# Altium PCB Urukul.PcbDoc (part 11 of 12)
Units mm, origin at the board's own origin, x right, y up, seen from the top; angles counter-clockwise.
Board outline 160.99 x 100 mm, 6 copper layers (L1, P2, L3, L4, P5, L6), stack 1.648 mm thick; 971 components, 541 nets, 3373 pads, 2358 vias.
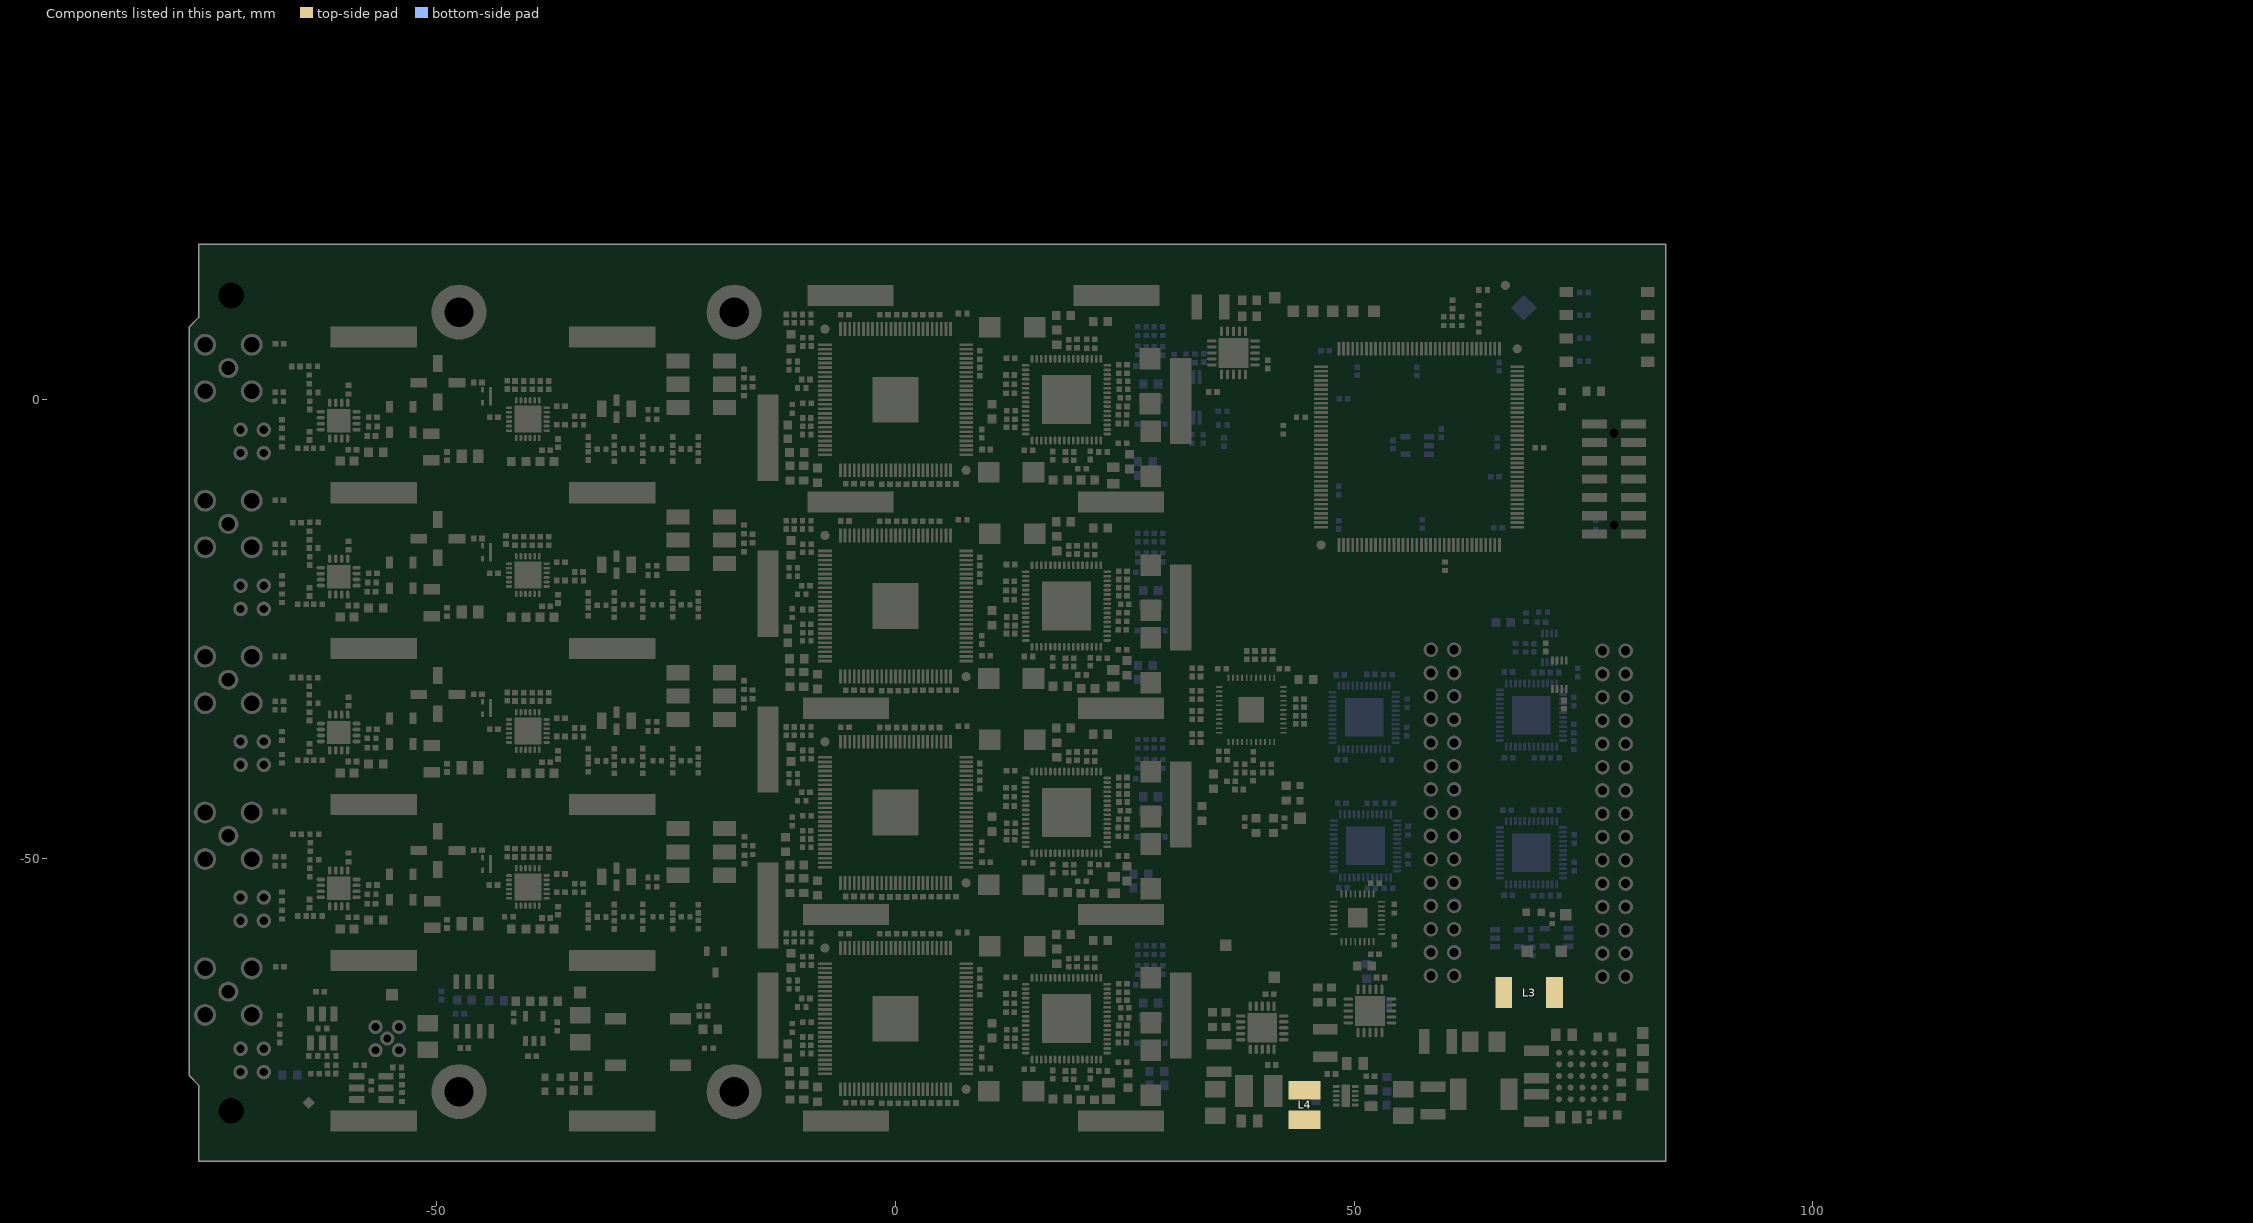
[diagram p15: the components of this part, seen from the top]

## Via types
v1: diameter 0.5, hole 0.2, L1 to L6, tented both sides, 2267 vias
v2: diameter 0.6, hole 0.3, L1 to L6, tented both sides, 88 vias
v3: diameter 0.5, hole 0.2, L1 to L6, 3 vias

## Nets (pads, with @x,y where several pads share a name; then routed paths per layer and width w, separated by ;. In a path a pad name is that pad's centre, name@x,y a point inside that pad or via, vN(x,y) a via of type N, cw(c..) or ccw(c..) an arc to the next point about the centre after c; other vN are vias at no path point) (continued)
copper on no net: | length 3510.5
  L1 w0.025: 97.559,9.548 98.567,8.54 ; 97.559,11.072 100.091,8.54 ; 97.559,12.596 100.607,9.548 101.615,8.54 ; 97.559,14.12 100.607,11.072 103.139,8.54 ; 97.559,15.644 100.607,12.596 103.655,9.548 104.663,8.54 ; 97.559,17.168 100.607,14.12 103.655,11.072 106.187,8.54 ; 97.559,18.692 100.607,15.644 103.655,12.596 106.703,9.548 107.711,8.54 ; 97.559,20.216 100.607,17.168 103.655,14.12 106.703,11.072 109.235,8.54 ; 97.559,21.74 100.607,18.692 103.655,15.644 106.703,12.596 109.751,9.548 110.759,8.54 ; 97.559,23.264 100.607,20.216 103.655,17.168 106.703,14.12 109.751,11.072 112.283,8.54 ; 97.559,24.788 100.607,21.74 103.655,18.692 106.703,15.644 109.751,12.596 112.799,9.548 113.807,8.54 ; 97.559,26.312 100.607,23.264 103.655,20.216 106.703,17.168 109.751,14.12 112.799,11.072 115.331,8.54 ; 97.559,27.836 100.607,24.788 103.655,21.74 106.703,18.692 109.751,15.644 112.799,12.596 115.847,9.548 116.855,8.54 ; 97.559,29.36 100.607,26.312 103.655,23.264 106.703,20.216 109.751,17.168 112.799,14.12 115.847,11.072 118.379,8.54 ; 97.559,30.884 100.607,27.836 103.655,24.788 106.703,21.74 109.751,18.692 112.799,15.644 115.847,12.596 118.895,9.548 119.903,8.54 ; 97.559,32.408 100.607,29.36 103.655,26.312 106.703,23.264 109.751,20.216 112.799,17.168 115.847,14.12 118.895,11.072 121.427,8.54 ; 97.559,33.932 100.607,30.884 103.655,27.836 106.703,24.788 109.751,21.74 112.799,18.692 115.847,15.644 118.895,12.596 121.943,9.548 122.951,8.54 ; 97.559,35.456 100.607,32.408 103.655,29.36 106.703,26.312 109.751,23.264 112.799,20.216 115.847,17.168 118.895,14.12 121.943,11.072 124.475,8.54 ; 97.559,36.98 100.607,33.932 103.655,30.884 106.703,27.836 109.751,24.788 112.799,21.74 115.847,18.692 118.895,15.644 121.943,12.596 124.991,9.548 125.999,8.54 ; 99.083,36.98 100.607,35.456 103.655,32.408 106.703,29.36 109.751,26.312 112.799,23.264 115.847,20.216 118.895,17.168 121.943,14.12 124.991,11.072 127.523,8.54 ; 100.607,36.98 103.655,33.932 106.703,30.884 109.751,27.836 112.799,24.788 115.847,21.74 118.895,18.692 121.943,15.644 124.991,12.596 128.039,9.548 129.047,8.54 ; 102.131,36.98 103.655,35.456 106.703,32.408 109.751,29.36 112.799,26.312 115.847,23.264 118.895,20.216 121.943,17.168 124.991,14.12 128.039,11.072 130.571,8.54 ; 103.655,36.98 106.703,33.932 109.751,30.884 112.799,27.836 115.847,24.788 118.895,21.74 121.943,18.692 124.991,15.644 128.039,12.596 131.087,9.548 132.095,8.54 ; 105.179,36.98 106.703,35.456 109.751,32.408 112.799,29.36 115.847,26.312 118.895,23.264 121.943,20.216 124.991,17.168 128.039,14.12 131.087,11.072 133.619,8.54 ; 106.703,36.98 109.751,33.932 112.799,30.884 115.847,27.836 118.895,24.788 121.943,21.74 124.991,18.692 128.039,15.644 131.087,12.596 134.135,9.548 135.143,8.54 ; 108.227,36.98 109.751,35.456 112.799,32.408 115.847,29.36 118.895,26.312 121.943,23.264 124.991,20.216 128.039,17.168 131.087,14.12 134.135,11.072 136.667,8.54 ; 109.751,36.98 112.799,33.932 115.847,30.884 118.895,27.836 121.943,24.788 124.991,21.74 128.039,18.692 131.087,15.644 134.135,12.596 137.183,9.548 138.191,8.54 ; 111.275,36.98 112.799,35.456 115.847,32.408 118.895,29.36 121.943,26.312 124.991,23.264 128.039,20.216 131.087,17.168 134.135,14.12 137.183,11.072 139.715,8.54 ; 112.799,36.98 115.847,33.932 118.895,30.884 121.943,27.836 124.991,24.788 128.039,21.74 131.087,18.692 134.135,15.644 137.183,12.596 140.231,9.548 141.239,8.54 ; 114.323,36.98 115.847,35.456 118.895,32.408 121.943,29.36 124.991,26.312 128.039,23.264 131.087,20.216 134.135,17.168 137.183,14.12 140.231,11.072 142.763,8.54 ; 115.847,36.98 118.895,33.932 121.943,30.884 124.991,27.836 128.039,24.788 131.087,21.74 134.135,18.692 137.183,15.644 140.231,12.596 143.279,9.548 ; 117.371,36.98 118.895,35.456 121.943,32.408 124.991,29.36 128.039,26.312 131.087,23.264 134.135,20.216 137.183,17.168 140.231,14.12 143.279,11.072 ; 118.895,36.98 121.943,33.932 124.991,30.884 128.039,27.836 131.087,24.788 134.135,21.74 137.183,18.692 140.231,15.644 143.279,12.596 ; 120.419,36.98 121.943,35.456 124.991,32.408 128.039,29.36 131.087,26.312 134.135,23.264 137.183,20.216 140.231,17.168 143.279,14.12 ; 121.943,36.98 124.991,33.932 128.039,30.884 131.087,27.836 134.135,24.788 137.183,21.74 140.231,18.692 143.279,15.644 ; 123.467,36.98 124.991,35.456 128.039,32.408 131.087,29.36 134.135,26.312 137.183,23.264 140.231,20.216 143.279,17.168 ; 124.991,36.98 128.039,33.932 131.087,30.884 134.135,27.836 137.183,24.788 140.231,21.74 143.279,18.692 ; 126.515,36.98 128.039,35.456 131.087,32.408 134.135,29.36 137.183,26.312 140.231,23.264 143.279,20.216 ; 128.039,36.98 131.087,33.932 134.135,30.884 137.183,27.836 140.231,24.788 143.279,21.74 ; 129.563,36.98 131.087,35.456 134.135,32.408 137.183,29.36 140.231,26.312 143.279,23.264 ; 131.087,36.98 134.135,33.932 137.183,30.884 140.231,27.836 143.279,24.788 ; 132.611,36.98 134.135,35.456 137.183,32.408 140.231,29.36 143.279,26.312 ; 134.135,36.98 137.183,33.932 140.231,30.884 143.279,27.836 ; 135.659,36.98 137.183,35.456 140.231,32.408 143.279,29.36 ; 137.183,36.98 140.231,33.932 143.279,30.884 ; 138.707,36.98 140.231,35.456 143.279,32.408 ; 140.231,36.98 143.279,33.932 ; 141.755,36.98 143.279,35.456
  L1 w0.152: v1(75.031,-68.044) 75.031,-68.29 75.14,-68.29 75.14,-68.8
  L1 w0.381: 94.511,-67.894 143.279,-67.894 ; 94.511,-44.278 143.279,-44.278 ; 94.511,-22.44 143.279,-22.44 ; 94.511,-5.935 143.279,-5.935 ; 94.511,8.54 143.279,8.54 ; 97.559,-78.306 97.559,36.98 ; 100.607,-78.306 100.607,-67.894 100.607,-44.278 100.607,-22.44 100.607,-5.935 100.607,8.54 100.607,36.98 ; 103.655,-78.306 103.655,-67.894 103.655,-44.278 103.655,-22.44 103.655,-5.935 103.655,8.54 103.655,36.98 ; 106.703,-78.306 106.703,-67.894 106.703,-44.278 106.703,-22.44 106.703,-5.935 106.703,8.54 106.703,36.98 ; 109.751,-78.306 109.751,-67.894 109.751,-44.278 109.751,-22.44 109.751,-5.935 109.751,8.54 109.751,36.98 ; 112.799,-78.306 112.799,-67.894 112.799,-44.278 112.799,-22.44 112.799,-5.935 112.799,8.54 112.799,36.98 ; 115.847,-78.306 115.847,-67.894 115.847,-44.278 115.847,-22.44 115.847,-5.935 115.847,8.54 115.847,36.98 ; 118.895,-78.306 118.895,-67.894 118.895,-44.278 118.895,-22.44 118.895,-5.935 118.895,8.54 118.895,36.98 ; 121.943,-78.306 121.943,-67.894 121.943,-44.278 121.943,-22.44 121.943,-5.935 121.943,8.54 121.943,36.98 ; 124.991,-78.306 124.991,-67.894 124.991,-44.278 124.991,-22.44 124.991,-5.935 124.991,8.54 124.991,36.98 ; 128.039,-78.306 128.039,-67.894 128.039,-44.278 128.039,-22.44 128.039,-5.935 128.039,8.54 128.039,36.98 ; 131.087,-78.306 131.087,-67.894 131.087,-44.278 131.087,-22.44 131.087,-5.935 131.087,8.54 131.087,36.98 ; 134.135,-78.306 134.135,-67.894 134.135,-44.278 134.135,-22.44 134.135,-5.935 134.135,8.54 134.135,36.98 ; 137.183,-78.306 137.183,-67.894 137.183,-44.278 137.183,-22.44 137.183,-5.935 137.183,8.54 137.183,36.98 ; 140.231,-78.306 140.231,-67.894 140.231,-44.278 140.231,-22.44 140.231,-5.935 140.231,8.54 140.231,36.98 ; 143.279,-67.894 143.279,-44.278 ; 143.279,-67.894 143.279,-78.306 94.511,-78.306 94.511,36.98 143.279,36.98 143.279,8.54 ; 143.279,-44.278 143.279,-22.44 ; 143.279,-22.44 143.279,-5.935 ; 143.279,-5.935 143.279,8.54
  L6 w0.152: v1(67.029,-42.042) 67.706,-42.042 67.825,-41.923 68.335,-41.923 68.335,-41.992 v1(68.729,-41.992)

## Polygon pours and split planes (outlines as drawn)
P1V8A on L4 "Top-No Net" (solid, remove dead copper, pour order 252): 29.25,-59.113 26.865,-59.113 26.075,-59.903 17.75,-59.903 12.65,-59.903 12.5,-60.053 12.359,-60.193 11.75,-60.193 11.25,-60.193 11.25,-58.135 18.667,-58.135 29.25,-58.135
P3V3A on L4 "P3V3A_L04_P082" (solid, remove dead copper, pour order 82): 30.474,-59.113 29.125,-59.113 29.043,-58.415 -18.221,-58.415 -18.221,-52.395 27.378,-52.395 30.474,-55.491
P3V3 on L4 "P3V3_L04_P142" (solid, remove dead copper, pour order 142): 53.474,-23.25 68.697,-23.25 76.032,-23.25 76.032,-30.585 76.032,-40.443 76.032,-59.095 46.086,-59.095 46.086,-40.011 46.086,-30.638
NetC73_2 on L4 "Top-No Net" (solid, remove dead copper, pour order 316): 21 vertices, not listed, extent 64.25,-77.553 74.25,-73.053
P3V3_DRVD on L4 "Top-No Net" (solid, remove dead copper, pour order 250): 12.5,-71.803 21.14,-71.803 22.705,-70.238 23.14,-69.803 23.14,-68.803 23.14,-68.163 15.5,-68.163 15.5,-68.803 15.5,-68.9 15.361,-69.039 15.347,-69.053 14.75,-69.053 13.331,-69.053 12.75,-69.634 12.5,-69.884
P1V8A on L4 "Top-No Net" (solid, remove dead copper, pour order 248): 29.25,-36.613 20.19,-36.613 19.75,-37.053 19.4,-37.403 17.75,-37.403 12.65,-37.403 12.5,-37.553 12.359,-37.693 11.75,-37.693 11.25,-37.693 11.25,-34.488 20.19,-34.488 29.25,-34.488
P3V3_DRVC on L4 "Top-No Net" (solid, remove dead copper, pour order 246): 12.5,-49.303 21.14,-49.303 22.705,-47.738 23.14,-47.303 23.14,-46.303 23.14,-45.668 16.232,-45.668 15.5,-46.4 15.361,-46.539 15.347,-46.553 14.75,-46.553 13.331,-46.553 12.75,-47.134 12.5,-47.384
P1V8A on L4 "Top-No Net" (solid, remove dead copper, pour order 244): 29.25,8.387 20.19,8.387 19.75,7.947 19.4,7.597 17.75,7.597 12.65,7.597 12.5,7.447 12.359,7.307 11.75,7.307 11.25,7.307 11.25,10.013 19.816,10.013 20.075,10.272 29.25,10.272
P3V3_DRVA on L4 "Top-No Net" (solid, remove dead copper, pour order 242): 12.5,-4.303 21.14,-4.303 22.705,-2.738 23.14,-2.303 23.14,-1.303 23.14,-0.668 15.5,-0.668 15.5,-1.303 15.5,-1.4 15.361,-1.539 15.347,-1.553 14.75,-1.553 13.331,-1.553 12.75,-2.134 12.5,-2.384
P3V3_DRVB on L4 "Top-No Net" (solid, remove dead copper, pour order 178): 12.5,-26.803 21.14,-26.803 22.705,-25.238 23.14,-24.803 23.14,-23.803 23.14,-23.281 15.5,-23.281 15.5,-23.803 15.5,-23.9 15.361,-24.039 15.347,-24.053 14.75,-24.053 13.331,-24.053 12.75,-24.634 12.5,-24.884
P1V8A on L4 "Top-No Net" (solid, remove dead copper, pour order 172): 29.25,-14.113 20.19,-14.113 19.75,-14.553 19.4,-14.903 17.75,-14.903 12.65,-14.903 12.5,-15.053 12.359,-15.193 11.75,-15.193 11.25,-15.193 11.25,-11.878 19.325,-11.878 29.25,-11.878
P12V0 on L4 "P12V0_L04_P116" (solid, remove dead copper, pour order 116): 17 vertices, not listed, extent 56.529,-70.792 82.414,-59.292
no net on L4 "NONET_L04_P050" (solid, remove dead copper, pour order 50): -125.9,-179.153
P3V3_DRVC on L3 "Top-No Net" (solid, remove dead copper, pour order 288): 21 vertices, not listed, extent 19.25,-47.053 22.553,-36.228
P3V3_DRVB on L3 "Top-No Net" (solid, remove dead copper, pour order 286): 21 vertices, not listed, extent 19.25,-24.553 22.553,-13.653
P3V3_DRVA on L3 "Top-No Net" (solid, remove dead copper, pour order 284): 22 vertices, not listed, extent 19.25,-2.053 22.553,8.447
P3V3A on L3 "P3V3A_L03_P086" (solid, remove dead copper, pour order 86): 22.529,-58.491 23.279,-58.491 25.473,-56.297 25.473,8.794 24.319,9.947 22.779,9.947 22.129,9.947 22.029,9.847 22.029,9.259 22.029,-58.241 22.279,-58.491
P1V8A on L3 "P1V8A_L03_P140" (solid, remove dead copper, pour order 140): 28.029,-65.803 29.27,-65.803 29.57,-65.503 30.029,-65.044 34.084,-60.989 34.084,7.653 30.779,10.958 30.687,11.05 29.779,11.05 27.62,11.05 27.279,10.708 25.549,8.978 25.549,-63.563 27.779,-65.792 27.789,-65.803
P3V3_DRVD on L3 "Top-No Net" (solid, remove dead copper, pour order 290): 17 vertices, not listed, extent 19.25,-69.553 22.882,-59.053
P1V8A on L3 "Top-No Net" (solid, remove dead copper, pour order 272): 12.75,-58.553 12.75,-66.803 12.75,-74.346 12.25,-74.846 12.207,-74.803 10.82,-74.803 10.82,-74.753 10.37,-74.303 10.25,-74.183 10.25,-72.623 10.25,-58.803 10.75,-58.303 12.25,-58.303 12.5,-58.303 12.75,-58.553
P1V8A on L3 "Top-No Net" (solid, remove dead copper, pour order 238): 12.75,-36.053 12.75,-44.303 12.75,-51.846 12.25,-52.346 12.207,-52.303 10.82,-52.303 10.82,-52.253 10.37,-51.803 10.25,-51.683 10.25,-50.123 10.25,-36.303 10.75,-35.803 12.25,-35.803 12.5,-35.803 12.75,-36.053
P1V8A on L3 "Top-No Net" (solid, remove dead copper, pour order 236): 12.75,8.947 12.75,0.697 12.75,-6.846 12.25,-7.346 12.207,-7.303 10.82,-7.303 10.82,-7.253 10.37,-6.803 10.25,-6.683 10.25,-5.123 10.25,8.697 10.75,9.197 12.25,9.197 12.5,9.197 12.75,8.947
P1V8A on L3 "Top-No Net" (solid, remove dead copper, pour order 174): 12.75,-13.553 12.75,-21.803 12.75,-29.346 12.25,-29.846 12.207,-29.803 10.82,-29.803 10.82,-29.753 10.37,-29.303 10.25,-29.183 10.25,-27.623 10.25,-13.803 10.75,-13.303 12.25,-13.303 12.5,-13.303 12.75,-13.553
P3V3A on L3 "P3V3A_L03_P084" (solid, remove dead copper, pour order 84): -12.971,-62.792 -11.547,-62.792 -9.046,-62.792 -9.046,3.532 -11.721,6.208 -12.721,6.208 -12.971,6.208 -13.221,5.958 -13.221,5.458 -13.221,-62.542
P5V0A on L3 "P5V0A_L03_P070" (solid, remove dead copper, pour order 70): -55.471,-4.792 -54.471,-4.792 -54.221,-5.042 -54.221,-6.042 -54.221,-63.042 -39.12,-63.042 -39.12,-65.042 -55.721,-65.042 -55.721,-61.792 -55.721,-5.042
P7V0A on L3 "P7V0A_L03_P052" (solid, remove dead copper, pour order 52): -47.7,-4.153 -46.4,-4.153 -45.9,-4.653 -45.9,-6.153 -45.9,-61.792 -47.9,-61.792 -47.9,-58.153 -47.9,-57.653 -47.9,-4.653 -47.9,-4.153
NetC73_2 on L3 "Top-No Net" (solid, remove dead copper, pour order 308): 64.5,-74.303 64.5,-77.803 73,-77.803 73,-72.053 64.5,-72.053
P3V6 on L3 "Top-No Net" (solid, remove dead copper, pour order 310): 30 vertices, not listed, extent 40.5,-79.553 64,-68.303
P3V3A on L3 "P3V3A_L03_P088" (solid, remove dead copper, pour order 88): 32.356,-41.75 32.356,-61.37 33.25,-62.263 33.25,-75.553 39.5,-75.553 39.5,-71.553 35.25,-71.553 35.25,-41.75
P3V3 on L3 "Top-No Net" (solid, remove dead copper, pour order 312): 18 vertices, not listed, extent 43.5,-68.553 50,-47.303
GND on L1 "Top-No Net" (solid, remove dead copper, pour order 278): 14.275,-40.503 14.322,-40.55 23.128,-40.55 23.015,-40.663 23.015,-49.45 22.97,-49.495 14.221,-49.495
no net on L1 "Top-No Net" (solid, remove dead copper, pour order 216): -7,-44.303 -7,-52 -3.25,-52 -3.25,-49.803 -3.25,-46.303 -4.25,-45.303 -5.25,-44.303 -7,-44.303
P3V3_DRVC on L1 "Top-No Net" (solid, remove dead copper, pour order 208): 24 vertices, not listed, extent -1.5,-55.654 12.25,-38.349
P7V5 on L1 "P7V5_L01_P128" (solid, remove dead copper, pour order 128): 20 vertices, not listed, extent 40.279,-76.599 49.279,-72.292
GND on L1 "GND_L01_P110" (solid, remove dead copper, pour order 110): 22 vertices, not listed, extent 47.279,-78.928 53.439,-71.792
P7V5A on L1 "Top-No Net" (solid, remove dead copper, pour order 306): 40.5,-79.803 40.5,-77.553 39.5,-77.553 39.5,-73.303 30,-73.303 30,-78.303 31.75,-78.303 31.75,-77.053 32,-76.803 32.25,-76.553 36.75,-76.553 37,-76.803 38.25,-76.803 38.25,-79.553 38.5,-79.803
P3V3A on L1 "Top-No Net" (solid, remove dead copper, pour order 304): 26 vertices, not listed, extent 28.25,-73.303 40.25,-57.553
GND on L1 "Top-No Net" (solid, remove dead copper, pour order 280): 14.275,-63.003 14.322,-63.05 23.128,-63.05 23.015,-63.163 23.015,-71.95 22.97,-71.995 14.221,-71.995
GND on L1 "Top-No Net" (solid, remove dead copper, pour order 276): 14.275,4.497 14.322,4.45 23.128,4.45 23.015,4.337 23.015,-4.45 22.97,-4.495 14.221,-4.495
GND on L1 "Top-No Net" (solid, remove dead copper, pour order 274): 14.275,-18.003 14.322,-18.05 23.128,-18.05 23.015,-18.163 23.015,-26.95 22.97,-26.995 14.221,-26.995
P1V8_CLK_VDDD on L1 "Top-No Net" (solid, remove dead copper, pour order 232): 28 vertices, not listed, extent 17.75,-77.503 29.545,-70.803
P1V8_CLK_VDDC on L1 "Top-No Net" (solid, remove dead copper, pour order 214): 29 vertices, not listed, extent 17.75,-55.003 29.545,-48.303
P1V8_DVDDC on L1 "Top-No Net" (solid, remove dead copper, pour order 202): 27 vertices, not listed, extent -0.5,-39.103 18.32,-33.653
P1V8_CLK_VDDA on L1 "Top-No Net" (solid, remove dead copper, pour order 196): 29 vertices, not listed, extent 17.75,-10.003 29.545,-3.303
P3V3_DRVA on L1 "Top-No Net" (solid, remove dead copper, pour order 190): 24 vertices, not listed, extent -1.5,-10.607 12.25,6.697
P1V8_DVDDA on L1 "Top-No Net" (solid, remove dead copper, pour order 184): 27 vertices, not listed, extent -0.5,5.897 18.32,11.347
P1V8_DVDDB on L1 "Top-No Net" (solid, remove dead copper, pour order 170): 27 vertices, not listed, extent -0.5,-16.603 18.32,-11.153
P1V8_CLK_VDDB on L1 "Top-No Net" (solid, remove dead copper, pour order 152): 29 vertices, not listed, extent 17.75,-32.503 29.545,-25.803
GND on L1 "GND_L01_P138" (solid, remove dead copper, pour order 138): 32.029,-77.811 32.029,-77.042 32.279,-76.792 36.029,-76.792 36.279,-77.042 36.35,-77.042 36.368,-77.042 37.029,-77.703 38.279,-78.953 38.279,-79.603 38.279,-80.03 38.267,-80.042 32.029,-80.042 32.029,-77.792
P3V3A on L1 "P3V3A_L01_P080" (solid, remove dead copper, pour order 80): 21 vertices, not listed, extent 28.779,-72.292 39.279,-57.542
P7V5A on L1 "P7V5A_L01_P076" (solid, remove dead copper, pour order 76): 35 vertices, not listed, extent 29.779,-80.042 41.029,-73.042
P3V3_DRVD on L1 "Top-No Net" (solid, remove dead copper, pour order 226): 23 vertices, not listed, extent -1.478,-78.112 12.272,-60.807
P3V3 on L1 "Top-No Net" (solid, remove dead copper, pour order 302): 45.387,6.559 45.463,6.482 71.468,6.482 71.468,-15.02 76.25,-19.803 76.25,-54.803 68.5,-54.803 68.5,-31.553 71.468,-31.553 71.468,-25.02 63.282,-16.835 45.412,-16.835
P3V3 on L1 "P3V3_L01_P114" (solid, remove dead copper, pour order 114): 27 vertices, not listed, extent 62.529,-59.042 78.029,-2.835
P3V3 on L1 "P3V3_L01_P060" (solid, remove dead copper, pour order 60): 18 vertices, not listed, extent 46.35,-15.653 67.6,5.597
SG0 on L1 "Top-No Net" (solid, remove dead copper, pour order 300): -67.5,-61.053 -67.5,-69.553 -76.813,-69.553 -76.813,-60.553 -76.712,-60.452 -76.712,-60.053 -67.5,-60.053
SG4 on L1 "Top-No Net" (solid, remove dead copper, pour order 298): -67.5,-44.053 -67.5,-52.053 -76.813,-52.053 -76.813,-43.553 -76.712,-43.452 -76.712,-43.053 -67.5,-43.053 -67.5,-44.053
SG3 on L1 "Top-No Net" (solid, remove dead copper, pour order 296): -67.5,-27.053 -67.5,-35.053 -76.813,-35.053 -76.813,-26.553 -76.712,-26.452 -76.712,-26.053 -67.5,-26.053 -67.5,-27.053
SG2 on L1 "Top-No Net" (solid, remove dead copper, pour order 294): -67.5,-10.053 -67.5,-18.053 -76.813,-18.053 -76.813,-9.553 -76.712,-9.452 -76.712,-9.053 -67.5,-9.053 -67.5,-10.053
SG1 on L1 "Top-No Net" (solid, remove dead copper, pour order 292): -67.5,6.947 -67.5,-1.053 -76.813,-1.053 -76.813,7.447 -76.712,7.548 -76.712,7.947 -67.5,7.947 -67.5,6.947
no net on L1 "Top-No Net" (solid, remove dead copper, pour order 234): -7,-66.803 -7,-74.5 -3.25,-74.5 -3.25,-72.303 -3.25,-68.803 -4.25,-67.803 -5.25,-66.803 -7,-66.803
P3V3_DAC_VDDD on L1 "Top-No Net" (solid, remove dead copper, pour order 230): -12.15,-61.053 -8.25,-61.053 -8.25,-65.303 -4.25,-65.303 -4.25,-59.803 -11.25,-59.803 -12.2,-59.803 -12.242,-59.845 -12.25,-59.853 -12.25,-60.803 -12.25,-60.953 -12.15,-61.053
P3V3_DAC_VDDD on L1 "Top-No Net" (solid, remove dead copper, pour order 228): 19 vertices, not listed, extent 21.25,-65.053 29.25,-58.303
P1V8_DVDDD on L1 "Top-No Net" (solid, remove dead copper, pour order 224): 22 vertices, not listed, extent -0.75,-72.11 9.5,-59.053
GND on L1 "Top-No Net" (solid, remove dead copper, pour order 222): 27 vertices, not listed, extent -6.75,-72.803 5,-60.803
P1V8_DVDDD on L1 "Top-No Net" (solid, remove dead copper, pour order 220): 27 vertices, not listed, extent -0.5,-61.603 18.32,-56.153
P1V8A on L1 "Top-No Net" (solid, remove dead copper, pour order 218): 28 vertices, not listed, extent 11.144,-77.303 17.75,-73.649
P3V3_DAC_VDDC on L1 "Top-No Net" (solid, remove dead copper, pour order 212): -12.15,-38.553 -8.25,-38.553 -8.25,-42.803 -4.25,-42.803 -4.25,-37.303 -11.25,-37.303 -12.2,-37.303 -12.242,-37.345 -12.25,-37.353 -12.25,-38.303 -12.25,-38.453 -12.15,-38.553
P3V3_DAC_VDDC on L1 "Top-No Net" (solid, remove dead copper, pour order 210): 19 vertices, not listed, extent 21.25,-42.553 29.25,-35.803
P1V8_DVDDC on L1 "Top-No Net" (solid, remove dead copper, pour order 206): 22 vertices, not listed, extent -0.75,-49.61 9.5,-36.553